# Altium PCB PCB2.PcbDoc (part 1 of 2)
Units mil, origin at the board's own origin, x right, y up, seen from the top; angles counter-clockwise.
Board outline 3937.01 x 1968.5 mil, 4 copper layers (Top Layer, Layer 1, Layer 2, Bottom Layer), stack 63.78 mil thick; 235 components, 132 nets, 1060 pads, 9 vias.
Unrouted connection lines stored in the file: 147.
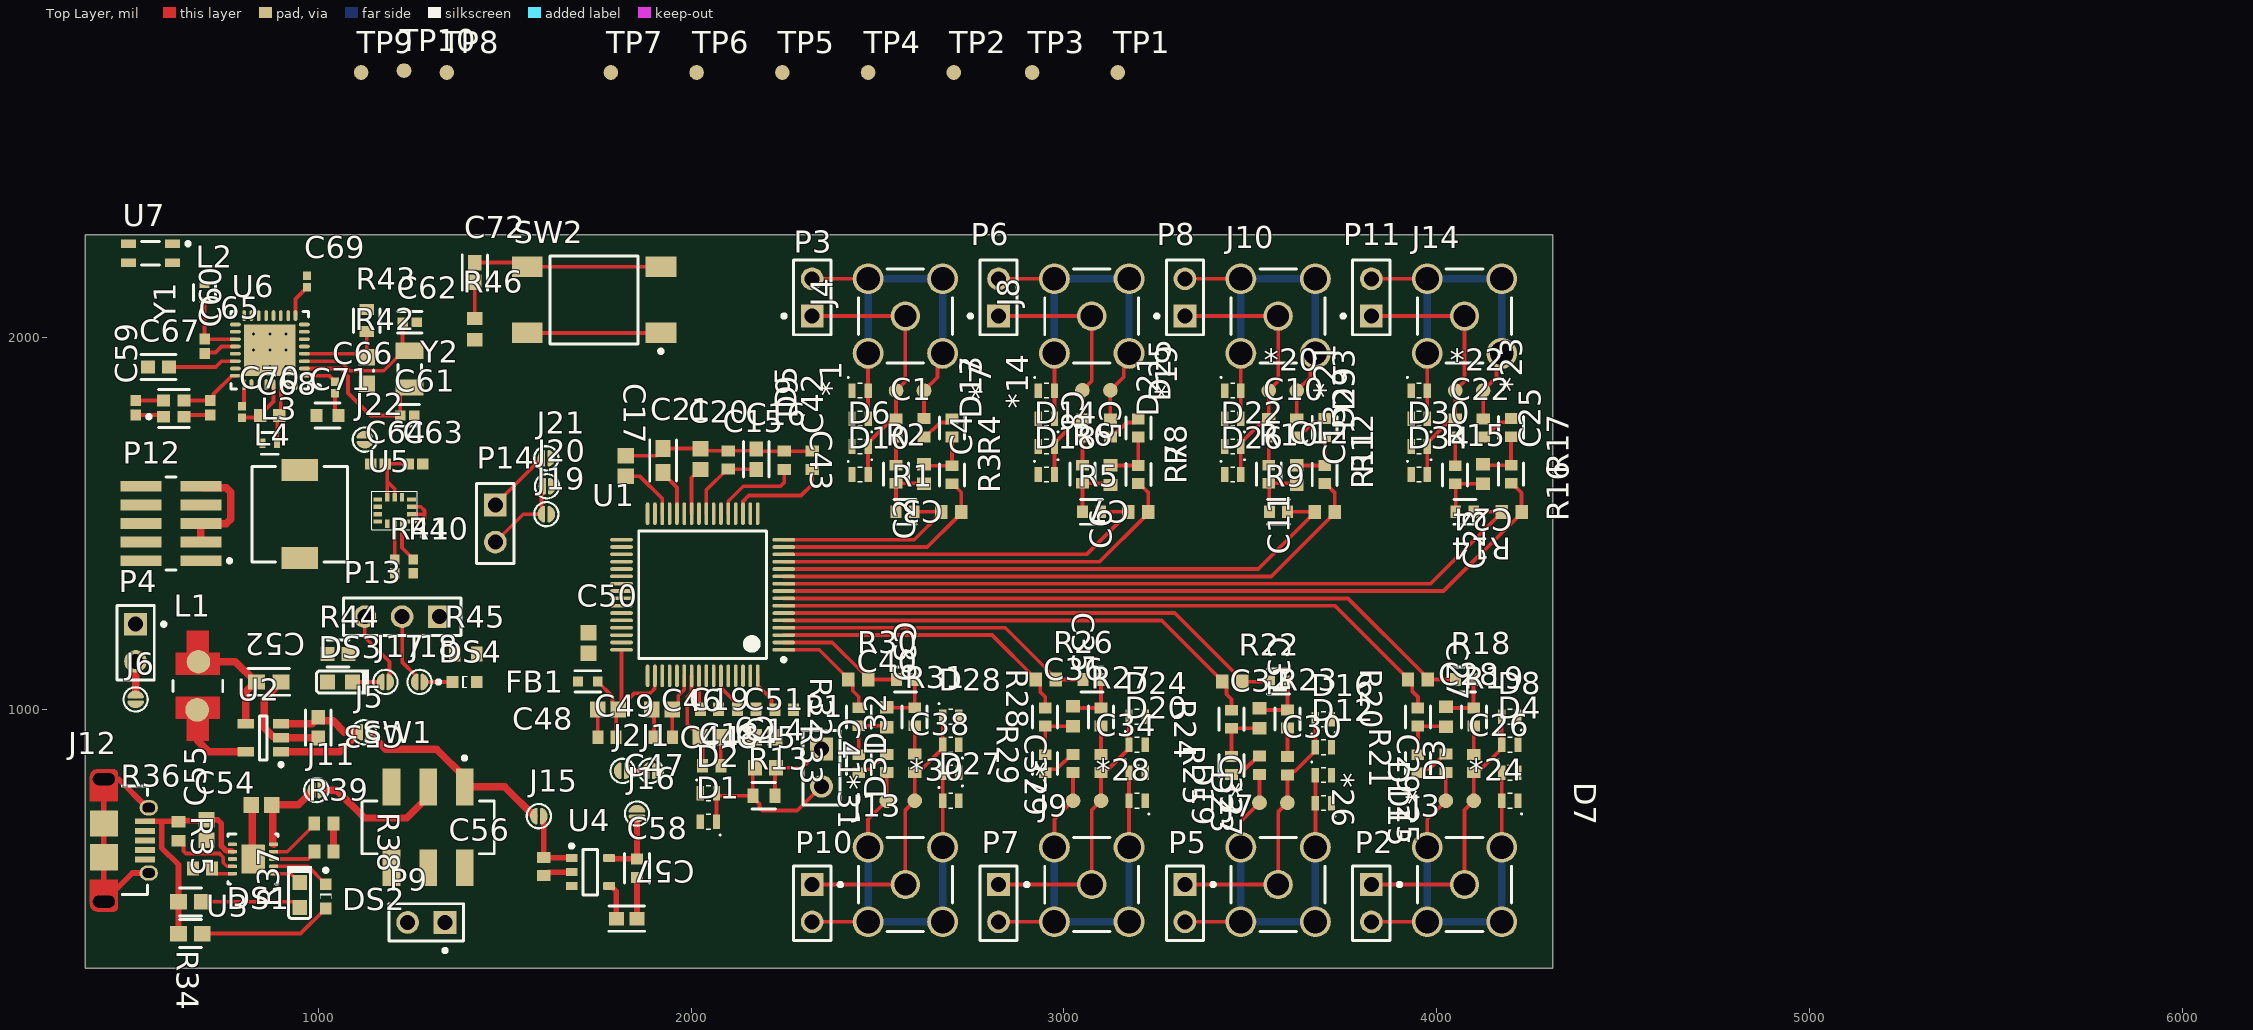
[diagram p0: Top Layer view]
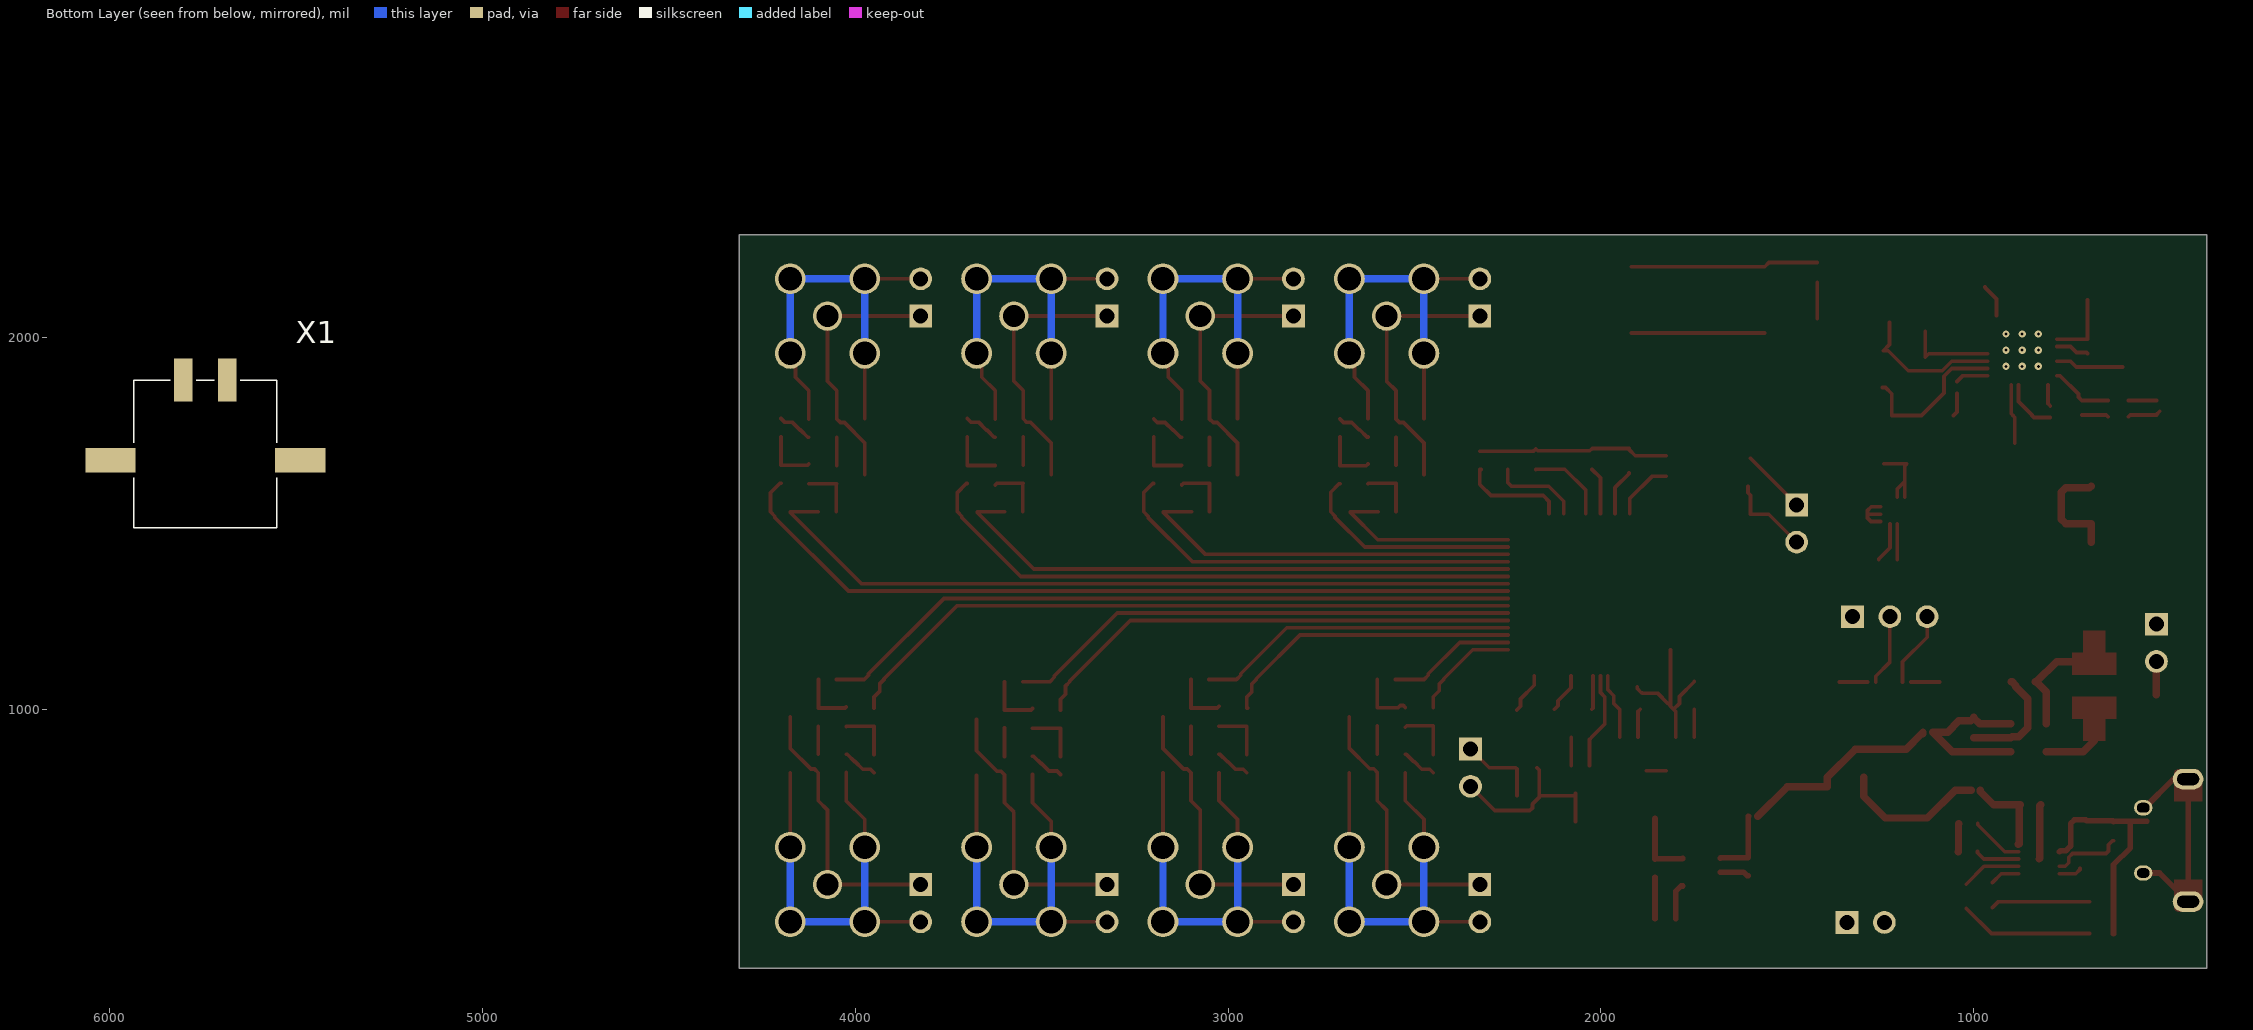
[diagram p1: Bottom Layer view, seen from below]
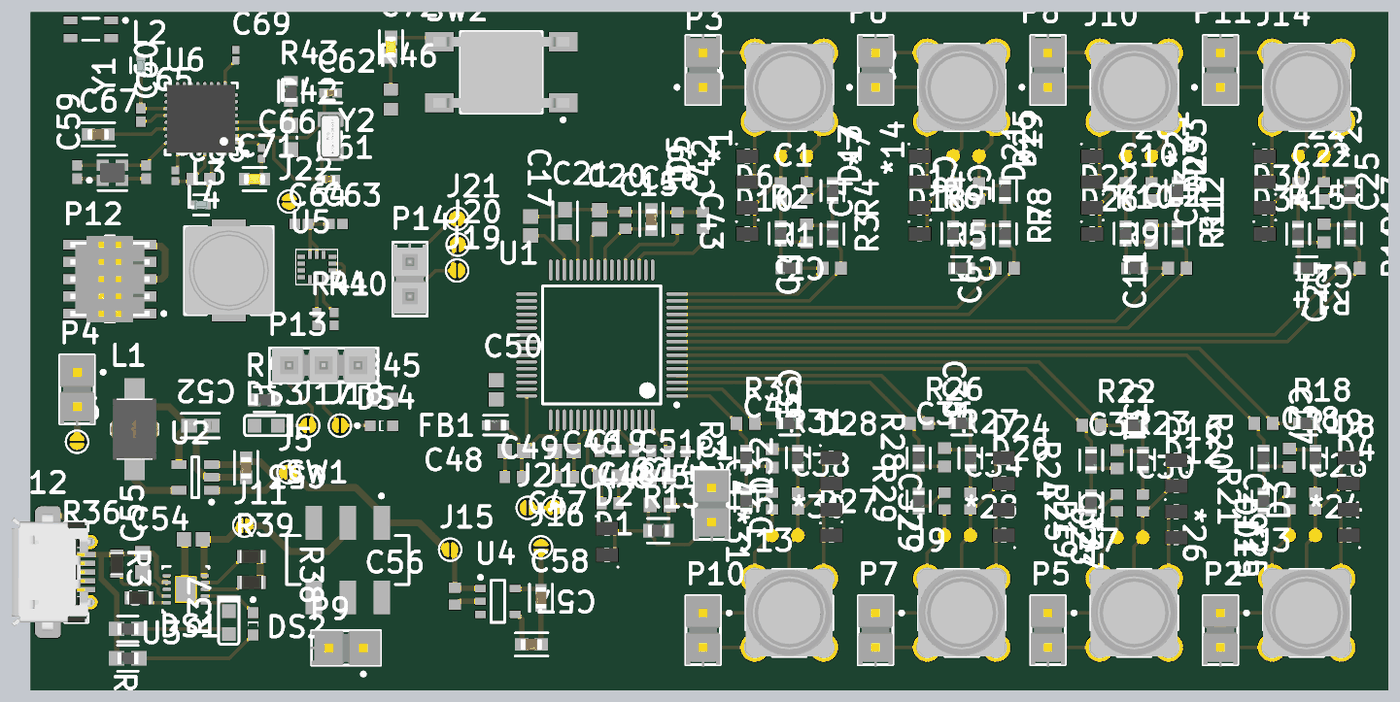
[diagram p3: 3D render of the assembled board from above, using the file's embedded part models]

## Layer stack, top to bottom
Top Solder: solder mask 0.3937, Solder Resist, Dk 3.5
Top Layer: signal copper 1.378
Dielectric 2: prepreg 5.5118, PP-006, Dk 4.1
Layer 1: signal copper 1.378
Dielectric 1: dielectric 47.2441, FR-4, Dk 4.8
Layer 2: signal copper 1.378
Dielectric 3: prepreg 5.5118, PP-006, Dk 4.1
Bottom Layer: signal copper 1.378
Bottom Solder: solder mask 0.3937, Solder Resist, Dk 3.5

## Board outline
375,306.5 4312.01,306.5 4312.01,2275 375,2275

## Design rules (kind name [scope] priority, off if disabled: settings)
Clearance [All] p1: gap=3.94 ignorepadtopadclearanceinfootprint=TRUE
PolygonConnect [All] p1: connectstyle=Relief reliefconductorwidth=10 reliefentries=4 polygonreliefangle="90 Angle" airgapwidth=10
RoomDefinition Smart_Bracelet [InComponentClass('Smart_Bracelet')] p1 off: confinementstyle=ConfineIn formatcopy=TRUE lockcomponents=FALSE outline 425,100066.5 14325,100066.5 14325,100305.5 425,100305.5
RoomDefinition Sheet1 [InComponentClass('Sheet1')] p2 off: confinementstyle=ConfineIn formatcopy=TRUE lockcomponents=FALSE outline 415,99676.5 26825,99676.5 26825,100305.5 415,100305.5
RoomDefinition Sheet2 [InComponentClass('Sheet2')] p3 off: confinementstyle=ConfineIn formatcopy=TRUE lockcomponents=FALSE outline 425,100096.5 11895,100096.5 11895,100305.5 425,100305.5
RoutingVias [All] p1: holewidth=7.87 width=15.75 viastyle="Through Hole" minholewidth=7.87 minwidth=15.75 maxholewidth=7.87 maxwidth=15.75
SolderMaskExpansion [All] p1: expansion=2.36 istentingtop=FALSE soldermaskfromhole=TRUE
Width [All] p1: maxlimit=20 minlimit=10 preferedwidth=15
30 further rules are at their usual default settings.

## Classes and differential pairs
component class Smart_Bracelet: C59 C60 C61 C62 C63 C64 C65 C66 C67 C68 C69 C70 C71 C72 DS3 DS4 J17 J18 J19 J20 J21 J22 L2 L3 L4 P12 P13 P14 R40 R41 R42 R43 R44 R45 R46 SW2 TP1 TP2 TP3 TP4 TP5 TP6 TP7 TP8 TP9 TP10 U5 U6 U7 Y1 Y2
component class Sheet2: C52 C53 C54 C55 C56 C57 C58 D3 D4 D5 D6 D7 D8 D9 D10 D11 D12 D13 D14 D15 D16 D17 D18 D19 D20 D21 D22 D23 D24 D25 D26 D27 D28 D29 D30 D31 D32 D33 D34 DS1 DS2 J3 J4 J5 J6 J7 J8 J9 J10 J11 J12 J13 J14 J15 J16 L1 P2 P3 P4 P5 P6 P7 P8 P9 P10 P11 R34 R35 R36 R37 R38 R39 SW1 U2 U3 U4
component class Sheet1: *1 *7 *14 *19 *20 *21 *22 *23 *24 *25 *26 *27 *28 *29 *30 *31 C1 C2 C3 C4 C5 C6 C7 C8 C9 C10 C11 C12 C13 C14 C15 C16 C17 C18 C19 C20 C21 C22 C23 C24 C25 C26 C27 C28 C29 C30 C31 C32 C33 C34 C35 C36 C37 C38 C39 C40 C41 C42 C43 C44 C45 C46 C47 C48 C49 C50 C51 D1 D2 FB1 J1 J2 P1 R1 R2 R3 R4 R5 R6 R7 R8 R9 R10 R11 R12 R13 R14 R15 R16 R17 R18 R19 R20 R21 R22 R23 R24 R25 R26 R27 R28 R29 R30 R31 R32 R33 U1 X1

## Components (designator, comment, footprint, x,y, rotation, side; value= is the part's Value field where it differs from the comment)
*1 "TP" Pad-1mm 2550,1856.5 r90 top
*7 "TP" Pad-1mm 2625,1856.5 r90 top
*14 "TP" Pad-1mm 3050,1857.28 r180 top
*19 "TP" Pad-1mm 3125,1857.28 r180 top
*20 "TP" Pad-1mm 3550,1856.5 r180 top
*21 "TP" Pad-1mm 3625,1856.5 r180 top
*22 "TP" Pad-1mm 4050,1856.5 r180 top
*23 "TP" Pad-1mm 4125,1856.5 r180 top
*24 "TP" Pad-1mm 4100,756.5 r0 top
*25 "TP" Pad-1mm 4025,756.5 r0 top
*26 "TP" Pad-1mm 3600,750.79 r0 top
*27 "TP" Pad-1mm 3525,750.79 r0 top
*28 "TP" Pad-1mm 3100,756.5 r0 top
*29 "TP" Pad-1mm 3025,756.5 r0 top
*30 "TP" Pad-1mm 2600,756.5 r0 top
*31 "TP" Pad-1mm 2525,756.5 r0 top
C1 "100nF" CAPC1608X92X38LL15T08 2550,1756.1 r270 top
C2 "270p" CAPC1608X90X35NL10T15 2698.43,1531.5 r180 top
C3 "270p" CAPC1608X90X35NL10T15 2625,1633.07 r270 top
C4 "100nF" CAPC1608X92X38LL15T08 2625,1756.89 r270 top
C5 "100nF" CAPC1608X92X38LL15T08 3050,1756.1 r270 top
C6 "270p" CAPC1608X90X35NL10T15 3200,1531.5 r180 top
C7 "270p" CAPC1608X90X35NL10T15 3125,1629.92 r270 top
C8 "100nF" CAPC1608X92X38LL15T08 3125,1756.1 r270 top
C9 "1nF" CAPC1608X90X35LL10T15 2250.39,1000 r180 top
C10 "100nF" CAPC1608X92X38LL15T08 3550,1756.5 r270 top
C11 "270p" CAPC1608X90X35NL10T15 3700,1531.5 r180 top
C12 "270p" CAPC1608X90X35NL10T15 3625,1629.92 r270 top
C13 "100nF" CAPC1608X92X38LL15T08 3625,1756.1 r270 top
C14 "1.5nF" CAPC1608X90X35ML10T15 2200,845 r0 top
C15 "100nF" CAPC1608X92X38LL15T08 2100,1670.39 r270 top
C16 "10uF" FP-GRM188-0_1-e0_2_0_55-IPC_B 2175,1672.63 r90 top
C17 "1uF" CAPC1608X95X40ML15T15 1825,1654.06 r270 top
C18 "100nF" CAPC1608X92X38LL15T08 2055.39,850 r0 top
C19 "1uF" CAPC1608X95X40ML15T15 2052.56,926.5 r180 top
C20 "1uF" CAPC1608X95X40ML15T15 2025,1672.56 r270 top
C21 "22uF" FP-CL10-IPC_A 1925,1668.94 r90 top
C22 "100nF" CAPC1608X92X38LL15T08 4050,1756.1 r270 top
C23 "270p" CAPC1608X90X35NL10T15 4201.57,1531.5 r180 top
C24 "270p" CAPC1608X90X35NL10T15 4125,1633.07 r270 top
C25 "100nF" CAPC1608X92X38LL15T08 4125,1756.1 r270 top
C26 "100nF" CAPC1608X92X38LL15T08 4100,856.1 r90 top
C27 "270p" CAPC1608X90X35NL10T15 3950,1081.5 r0 top
C28 "270p" CAPC1608X90X35NL10T15 4025,981.5 r90 top
C29 "100nF" CAPC1608X92X38LL15T08 4025,856.5 r90 top
C30 "100nF" CAPC1608X92X38LL15T08 3600,850.39 r90 top
C31 "270p" CAPC1608X90X35NL10T15 3451.57,1075.79 r0 top
C32 "270p" CAPC1608X90X35NL10T15 3525,977.36 r90 top
C33 "100nF" CAPC1608X92X38LL15T08 3525,851.18 r90 top
C34 "100nF" CAPC1608X92X38LL15T08 3100,856.1 r90 top
C35 "270p" CAPC1608X90X35NL10T15 2951.57,1081.5 r0 top
C36 "270p" CAPC1608X90X35NL10T15 3025,983.07 r90 top
C37 "100nF" CAPC1608X92X38LL15T08 3025,856.1 r90 top
C38 "100nF" CAPC1608X92X38LL15T08 2600,856.89 r90 top
C39 "270p" CAPC1608X90X35NL10T15 2448.43,1081.5 r0 top
C40 "270p" CAPC1608X90X35NL10T15 2525,979.92 r90 top
C41 "100nF" CAPC1608X92X38LL15T08 2525,856.1 r90 top
C42 "100nF" CAPC1608X92X38LL15T08 2325,1669.61 r270 top
C43 "100nF" CAPC1608X92X38LL15T08 2250,1669.61 r270 top
C44 "100nF" CAPC1608X92X38LL15T08 2049.61,1001.5 r180 top
C45 "100nF" CAPC1608X92X38LL15T08 2149.61,1001.5 r180 top
C46 "1uF" CAPC1608X95X40ML15T15 1922.44,1001.5 r0 top
C47 "100nF" CAPC1608X92X38LL15T08 1925.39,926.5 r0 top
C48 "1uF" CAPC1608X95X40ML15T15 1777.56,1001.5 r0 top
C49 "100nF" CAPC1608X92X38LL15T08 1774.61,926.5 r0 top
C50 "1uF" CAPC1608X95X40ML15T15 1725,1179.06 r270 top
C51 "1uF" CAPC1608X95X40ML15T15 2197.44,926.5 r180 top
C52 "22uF" FP-CL10-IPC_A 867.44,1075 r0 top
C53 "10uF" FP-GRM188-0_1-e0_2_0_55-IPC_B 1000,952.63 r270 top
C54 "1uF" CAPC1608X95X40ML15T15 700,677.56 r90 top
C55 "1uF" CAPC1608X95X40ML15T15 847.44,745 r0 top
C56 "100nF" CAPC1608X92X38LL15T08 1605,580 r270 top
C57 "10uF" FP-GRM188-0_1-e0_2_0_55-IPC_B 1827.37,440 r0 top
C58 "2.2uF" FP-GRM188-0_1-e0_2_0_5-IPC_C 1855,575.33 r270 top
C59 "15pF" CAPC1005X55X25ML05T10 510,1810.71 r270 top
C60 "15pF" CAPC1005X55X25ML05T10 710,1810.71 r90 top
C61 "18pF" FP-GJM155-0_05-IPC_A 1238.84,1790 r0 top
C62 "18pF" FP-GJM155-0_05-IPC_A 1245,2040 r0 top
C63 "100nF, IMU, pin 5/6" CAPC1005X56X25ML10T15 1260.71,1660 r0 top
C64 "100nF, IMU, pin 8" CAPC1005X56X25ML10T15 1160.71,1660 r0 top
C65 "0.8pF" CAPC1005X55X25ML05T10 695,1975.71 r90 top
C66 "100nF" CAPC1005X56X25LL10T15 1045,1865 r90 top
C67 "100pF" FP-GCM188-0_1-IPC_B 571.39,1920 r180 top
C68 "1uF" CAPC1608X90X35LL15T15 869.41,1790 r0 top
C69 "100nF" CAPC1005X56X25LL10T15 970,2149.65 r270 top
C70 "100nF" CAPC1005X56X25LL10T15 795,1799.65 r90 top
C71 "4.7uF" FP-CC0603-DA-MFG 1024.53,1790 r0 top value="4.7 uF"
C72 "CC0603KRX7R9BB104" FP-CC0603-DA-IPC_B 1420,2173.35 r270 top value="100 nF"
D1 "ESD" DFN110P160X55-2N 2046.65,700 r180 top
D2 "ESD" DFN110P160X55-2N 2046.65,776.5 r0 top
D3 "ESD" DFN110P160X55-2N 4196.65,831.5 r0 top
D4 "ESD" DFN110P160X55-2N 4196.65,906.5 r0 top
D5 "ESD" DFN110P160X55-2N 2453.35,1781.5 r180 top
D6 "ESD" DFN110P160X55-2N 2453.35,1706.5 r180 top
D7 "ESD" DFN110P160X55-2N 4196.65,756.5 r180 top
D8 "ESD" DFN110P160X55-2N 4196.65,981.5 r180 top
D9 "ESD" DFN110P160X55-2N 2453.35,1856.5 r0 top
D10 "ESD" DFN110P160X55-2N 2453.35,1631.5 r0 top
D11 "ESD" DFN110P160X55-2N 3696.65,825 r0 top
D12 "ESD" DFN110P160X55-2N 3696.65,900 r0 top
D13 "ESD" DFN110P160X55-2N 2953.35,1781.5 r180 top
D14 "ESD" DFN110P160X55-2N 2953.35,1706.5 r180 top
D15 "ESD" DFN110P160X55-2N 3696.65,750 r180 top
D16 "ESD" DFN110P160X55-2N 3696.65,975 r180 top
D17 "ESD" DFN110P160X55-2N 2953.35,1856.5 r0 top
D18 "ESD" DFN110P160X55-2N 2953.35,1631.5 r0 top
D19 "ESD" DFN110P160X55-2N 3196.65,831.5 r0 top
D20 "ESD" DFN110P160X55-2N 3196.65,906.5 r0 top
D21 "ESD" DFN110P160X55-2N 3453.35,1781.5 r180 top
D22 "ESD" DFN110P160X55-2N 3453.35,1706.5 r180 top
D23 "ESD" DFN110P160X55-2N 3196.65,756.5 r180 top
D24 "ESD" DFN110P160X55-2N 3196.65,981.5 r180 top
D25 "ESD" DFN110P160X55-2N 3453.35,1856.5 r0 top
D26 "ESD" DFN110P160X55-2N 3453.35,1631.5 r0 top
D27 "ESD" DFN110P160X55-2N 2696.65,756.5 r0 top
D28 "ESD" DFN110P160X55-2N 2696.65,981.5 r0 top
D29 "ESD" DFN110P160X55-2N 3953.35,1781.5 r180 top
D30 "ESD" DFN110P160X55-2N 3953.35,1706.5 r180 top
D31 "ESD" DFN110P160X55-2N 2696.65,831.5 r180 top
D32 "ESD" DFN110P160X55-2N 2696.65,906.5 r180 top
D33 "ESD" DFN110P160X55-2N 3953.35,1856.5 r0 top
D34 "ESD" DFN110P160X55-2N 3953.35,1631.5 r0 top
DS1 "APG1608CGKC/T" KING-LED0603-25-GREEN_V 950,503.46 r270 top
DS2 "APG1608SURKC/T" KING-LED0603-25-RED_V 1020,500 r90 top
DS3 "APG1608CGKC/T" KING-LED0603-25-GREEN_V 1058.46,1075 r180 top
DS4 "APG1608SURKC/T" KING-LED0603-25-RED_V 1392.52,1075 r180 top
FB1 "BLM18AG102SN1D" FP-BLM18-0_15-t0_8-MFG 1723.43,1076.5 r180 top
J1 "Solder Jumper" "Small Solder Jumper" 1891.81,836.5 r0 top value=1
J2 "Solder Jumper" "Small Solder Jumper" 1816.71,836.5 r0 top value=1
J3 "5-1814832-1" TECO-5-1814832-1_V 4075,531.5 r270 top
J4 "5-1814832-1" TECO-5-1814832-1_V 2575,2056.5 r90 top
J5 "Solder Jumper" "Small Solder Jumper" 1123.11,940 r180 top value=1
J6 "Solder Jumper" "Small Solder Jumper" 510,1028.19 r90 top value=1
J7 "5-1814832-1" TECO-5-1814832-1_V 3575,531.5 r270 top
J8 "5-1814832-1" TECO-5-1814832-1_V 3075,2056.5 r90 top
J9 "5-1814832-1" TECO-5-1814832-1_V 3075,531.5 r270 top
J10 "5-1814832-1" TECO-5-1814832-1_V 3575,2056.5 r90 top
J11 "Solder Jumper" "Small Solder Jumper" 995,785 r180 top value=1
J12 "629105150921" 629105150921 425,650 r270 top
J13 "5-1814832-1" TECO-5-1814832-1_V 2575,531.5 r270 top
J14 "5-1814832-1" TECO-5-1814832-1_V 4075,2056.5 r180 top
J15 "Solder Jumper" "Small Solder Jumper" 1591.71,715 r180 top value=1
J16 "Solder Jumper" "Small Solder Jumper" 1855,721.81 r90 top value=1
J17 "Solder Jumper" "Small Solder Jumper" 1180.12,1075 r180 top value=1
J18 "JV" "Small Solder Jumper" 1271.85,1075 r0 top value=1
J19 "Solder Jumper" "Small Solder Jumper" 1611.81,1525 r0 top value=1
J20 "Solder Jumper" "Small Solder Jumper" 1613.68,1600 r0 top value=1
J21 "Solder Jumper" "Small Solder Jumper" 1611.81,1675 r0 top value=1
J22 "Solder Jumper" "Small Solder Jumper" 1125,1725 r270 top value=1
L1 "10uH" FP-LQH43CN_03-MFG 676.85,1064.59 r90 top
L2 "3.9nH" FP-LQW15AN_80-MFG 695,2120.12 r90 top
L3 "15nH" FP-LQW15AN_80-MFG 870,1715 r0 top
L4 "SRR0603-100ML" BOUR-SRR0603_V 950,1525 r270 top
P1 "FIX_RLD" SMTC-TSW-102-07-S-S 2350,845 r270 top
P2 "FIX_RLD" SMTC-TSW-102-07-S-S 3825,481.5 r270 top
P3 "FIX_RLD" SMTC-TSW-102-07-S-S 2325,2106.5 r90 top
P4 "IuC" SMTC-TSW-102-07-S-S 510,1180 r270 top
P5 "FIX_RLD" SMTC-TSW-102-07-S-S 3325,481.5 r270 top
P6 "FIX_RLD" SMTC-TSW-102-07-S-S 2825,2106.5 r90 top
P7 "FIX_RLD" SMTC-TSW-102-07-S-S 2825,481.5 r270 top
P8 "FIX_RLD" SMTC-TSW-102-07-S-S 3325,2106.5 r90 top
P9 "Battery" SMTC-TSW-102-07-S-S 1290,430 r180 top
P10 "FIX_RLD" SMTC-TSW-102-07-S-S 2325,481.5 r270 top
P11 "FIX_RLD" SMTC-TSW-102-07-S-S 3825,2106.5 r90 top
P12 "FTSH-105-01-F-DV-K" SMTC-FTSH-105-01-L-DV-K_V 605.12,1500 r90 top
P13 "UART" SMTC-TSW-103-07-X-S 1325,1250 r180 top
P14 "Aux" SMTC-TSW-102-26-XX-S 1475,1550 r270 top
R1 "100k" FP-CRCW0603-e3-IPC_C 2574.23,1531.5 r180 top
R2 "100k" FP-CRCW0603-e3-IPC_C 2550,1632.27 r90 top
R3 "100k" FP-CRCW0603-e3-IPC_C 2700,1630.72 r90 top
R4 "100k" FP-CRCW0603-e3-IPC_C 2700,1756.5 r90 top
R5 "100k" FP-CRCW0603-e3-IPC_C 3074.23,1531.5 r180 top
R6 "100k" FP-CRCW0603-e3-IPC_C 3050,1632.27 r90 top
R7 "100k" FP-CRCW0603-e3-IPC_C 3200,1631.5 r90 top
R8 "100k" FP-CRCW0603-e3-IPC_C 3200,1756.5 r90 top
R9 "100k" FP-CRCW0603-e3-IPC_C 3575.77,1531.5 r180 top
R10 "100k" FP-CRCW0603-e3-IPC_C 3550,1632.27 r90 top
R11 "100k" FP-CRCW0603-e3-IPC_C 3700,1631.5 r90 top
R12 "100k" FP-CRCW0603-e3-IPC_C 3700,1757.27 r90 top
R13 "1M" FP-CRCW0603-e3-MFG 2195.47,770 r0 top
R14 "100k" FP-CRCW0603-e3-IPC_C 4075.77,1531.5 r180 top
R15 "100k" FP-CRCW0603-e3-IPC_C 4050,1630.72 r90 top
R16 "100k" FP-CRCW0603-e3-IPC_C 4200,1632.27 r90 top
R17 "100k" FP-CRCW0603-e3-IPC_C 4200,1757.27 r90 top
R18 "100k" FP-CRCW0603-e3-IPC_C 4075,1081.5 r0 top
R19 "100k" FP-CRCW0603-e3-IPC_C 4100,980.72 r270 top
R20 "100k" FP-CRCW0603-e3-IPC_C 3950,980.72 r270 top
R21 "100k" FP-CRCW0603-e3-IPC_C 3950,855.72 r270 top
R22 "100k" FP-CRCW0603-e3-IPC_C 3575.77,1075.79 r0 top
R23 "100k" FP-CRCW0603-e3-IPC_C 3600,975.79 r270 top
R24 "100k" FP-CRCW0603-e3-IPC_C 3450,975.02 r270 top
R25 "100k" FP-CRCW0603-e3-IPC_C 3450,850.79 r270 top
R26 "100k" FP-CRCW0603-e3-IPC_C 3075.77,1081.5 r0 top
R27 "100k" FP-CRCW0603-e3-IPC_C 3100,980.72 r270 top
R28 "100k" FP-CRCW0603-e3-IPC_C 2950,980.72 r270 top
R29 "100k" FP-CRCW0603-e3-IPC_C 2950,855.72 r270 top
R30 "100k" FP-CRCW0603-e3-IPC_C 2575.77,1081.5 r0 top
R31 "100k" FP-CRCW0603-e3-IPC_C 2600,981.5 r270 top
R32 "100k" FP-CRCW0603-e3-IPC_C 2450,981.5 r270 top
R33 "100k" FP-CRCW0603-e3-IPC_C 2450,855.72 r270 top
R34 "300R" FP-CRCW0603-e3-IPC_A 657.1,400 r180 top
R35 "300R" FP-CRCW0603-e3-IPC_A 657.1,485.03 r180 top
R36 "10k" RESC1609X50X30NL8T20 625,674.41 r90 top
R37 "10k" RESC1609X50X30NL8T20 689.41,575 r0 top
R38 "10k" RESC1609X50X30NL8T20 1015.59,620 r180 top
R39 "10k" RESC1609X50X30NL8T20 1015,695 r180 top
R40 "3.3k" RESC1005X40X25ML05T10 1255,1385 r270 top
R41 "3.3k" RESC1005X40X25ML05T10 1205,1385 r270 top
R42 "2MR" RESC0603(1608)_M 1130,1910.43 r270 top value="2000000.00 Ohm"
R43 "1MR" FP-CRCW0603-e3-MFG 1130,2044.53 r90 top
R44 "820R" FP-CRCW0603-e3-IPC_B 1053.17,1150 r180 top
R45 "330R" RESC1608X55X25ML10T15 1395.47,1150 r0 top
R46 "100kR" RESC1608X55X30ML15T15 1420,2021.46 r270 top
SW1 "JS202011SCQN" FP-JS202011SCQN-MFG 1295,685 r180 top
SW2 "FSM4JSMA" TECO-FSM4JSMA_V 1740,2100 r270 top
TP1 "T6" Pad-1mm 3145,2710 r90 top
TP2 "T1" Pad-1mm 2705,2710 r90 top
TP3 "Test Pad" Pad-1mm 2915,2710 r90 top
TP4 "T2" Pad-1mm 2475,2710 r90 top
TP5 "T4" Pad-1mm 2245,2710 r90 top
TP6 "T5" Pad-1mm 2015,2710 r90 top
TP7 "T7" Pad-1mm 1785,2710 r90 top
TP8 "T8" Pad-1mm 1345,2710 r90 top
TP9 "T9" Pad-1mm 1115,2710 r90 top
TP10 "Test Pad" Pad-1mm 1230,2715 r90 top
U1 "ADS1298IPAG" TI-PAG64_L 2031.1,1308.98 r180 top
U2 "XC9265C181MR-G" Z5+1_N 852.76,925 r180 top